# Altium PCB 10515.0462_全联供主板(2拼版)_V1.0.PcbDoc (part 11 of 18)
Units mm, origin at the board's own origin, x right, y up, seen from the top; angles counter-clockwise.
Board outline 282 x 198 mm, 2 copper layers (Top Layer, Bottom Layer); 716 components, 0 nets, 2364 pads, 1800 vias.
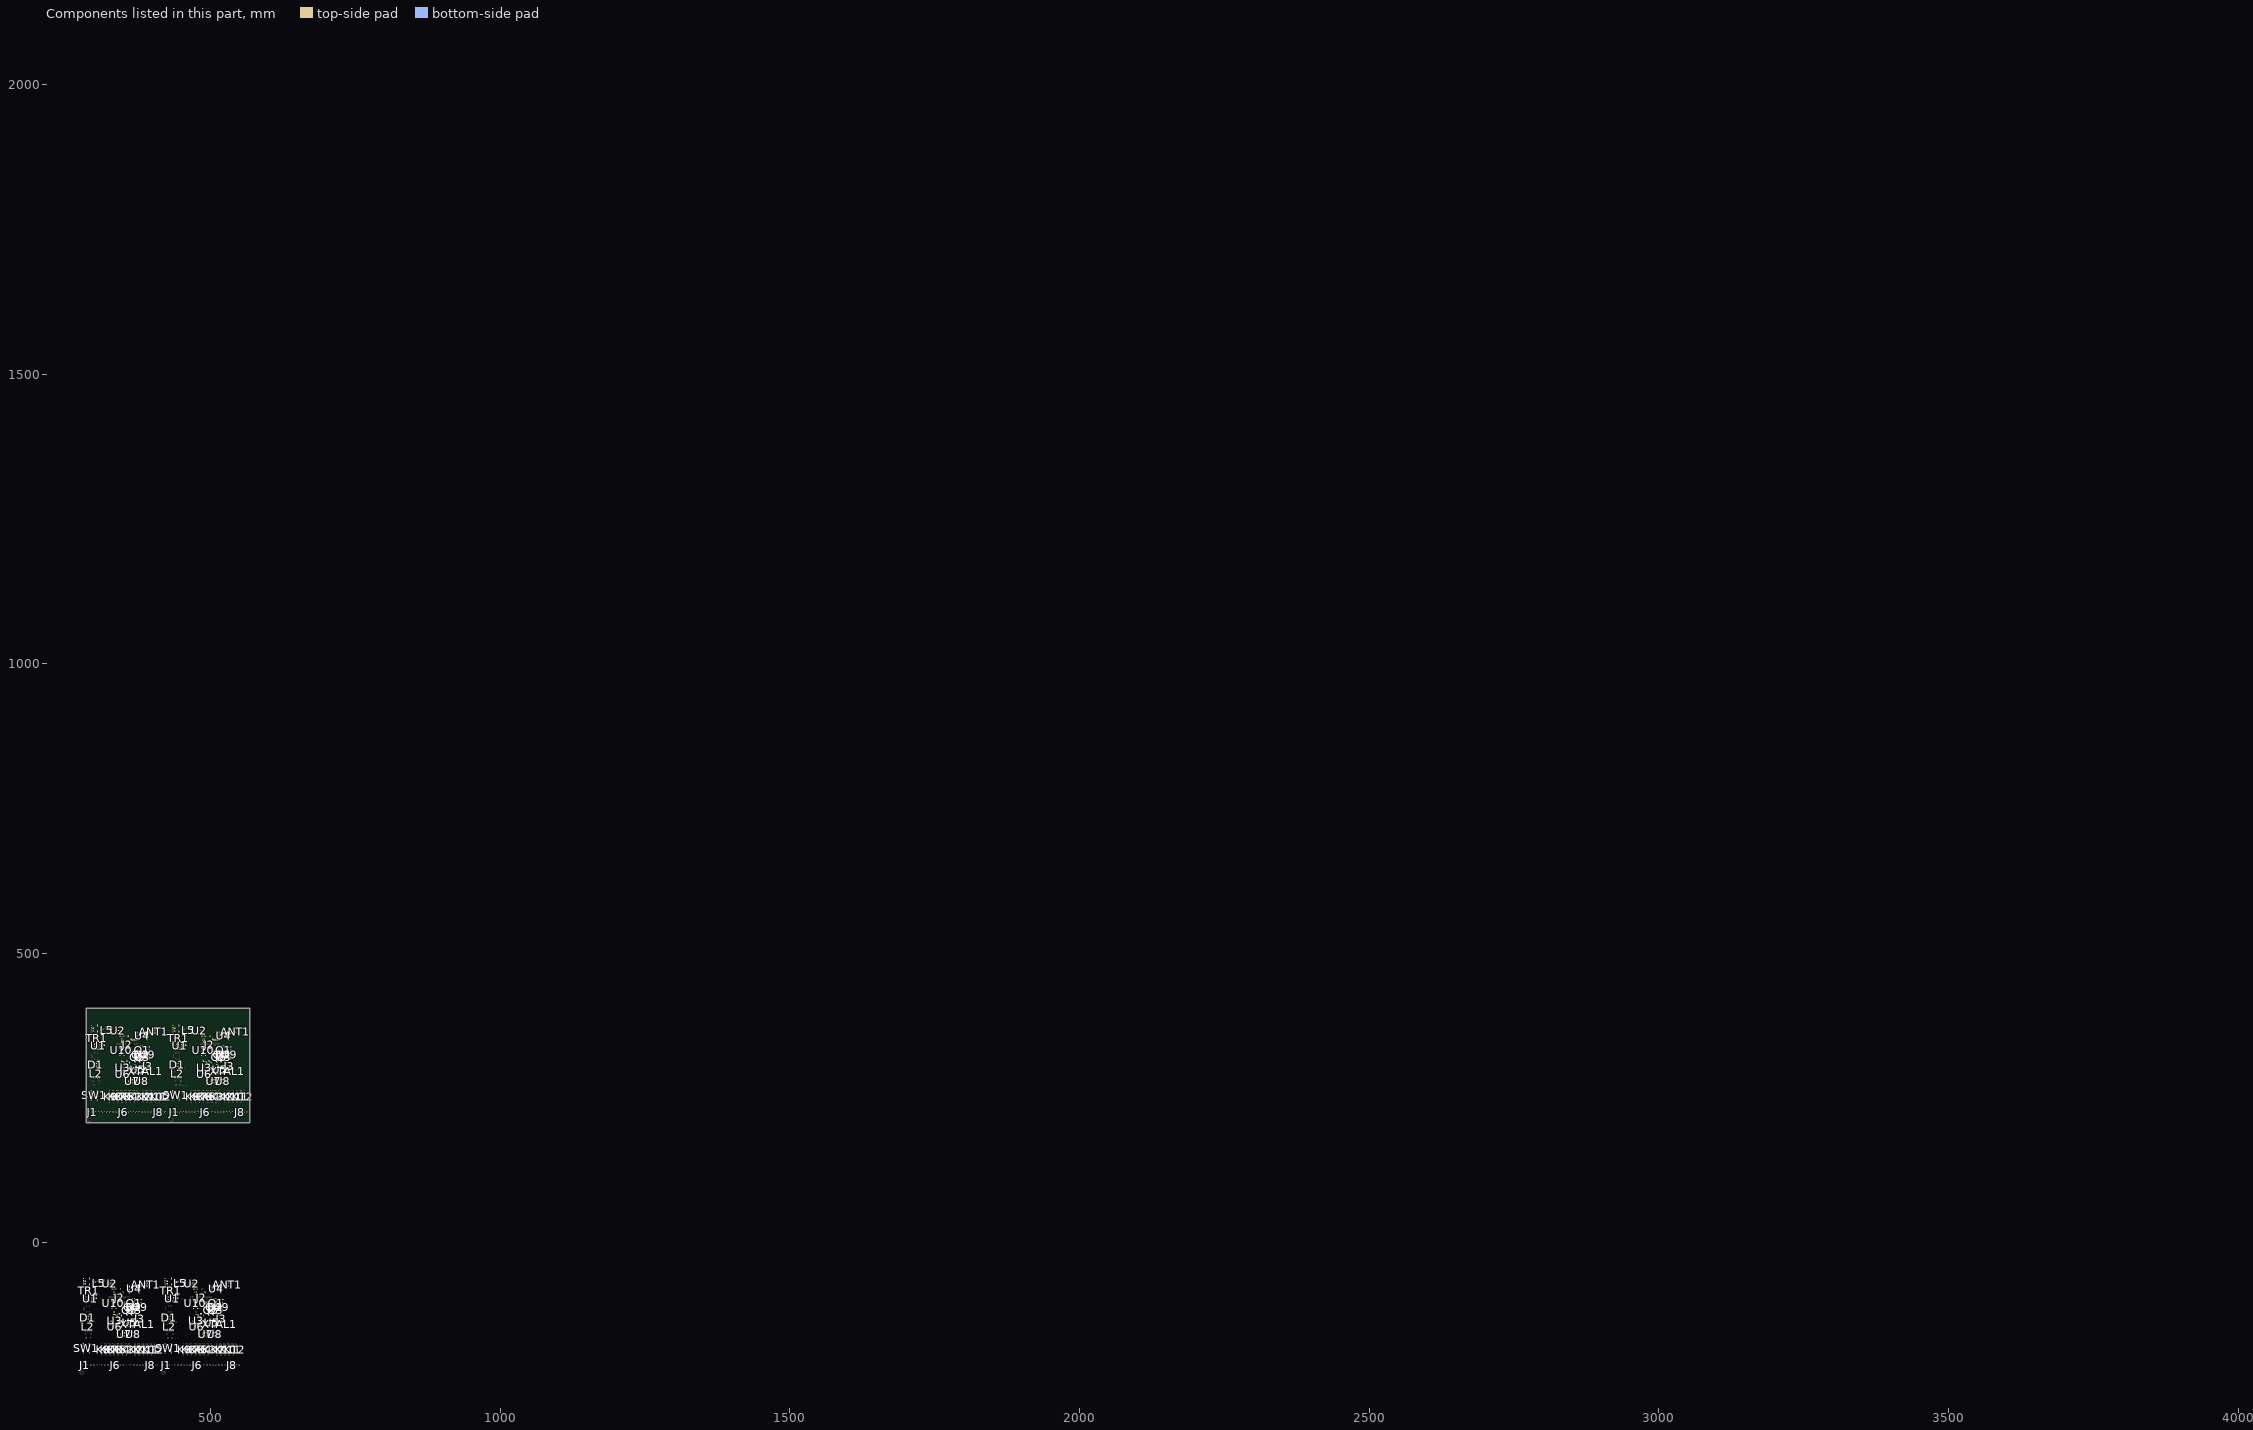
[diagram p11: the components of this part, seen from the top]

## Via types
v1: diameter 0.7, hole 0.4, Top Layer to Bottom Layer, tented both sides, 1800 vias

## Nets (pads, with @x,y where several pads share a name; then routed paths per layer and width w, separated by ;. In a path a pad name is that pad's centre, name@x,y a point inside that pad or via, vN(x,y) a via of type N, cw(c..) or ccw(c..) an arc to the next point about the centre after c; other vN are vias at no path point) (continued)
copper on no net: (continued)
  Top Layer w0.65: 500.638,-117.091 cw(c499.89,-117.091) 500.419,-117.621 cw(c500.948,-118.15) 500.948,-117.401 ; 500.684,353.257 v1@499.668,354.273 ; 501.094,331.277 501.094,334.654 ; 501.758,-118.909 503.917,-118.909 503.917,-119.63 504.327,-120.041 v1(504.581,-120.041) ; 501.758,-109.765 501.758,-112.781 501.948,-112.972 501.948,-114.591 ; 501.76,-112.861 cw(c501.307,-113.315) 501.948,-113.315 ; 501.774,-114.354 ccw(c501.353,-113.933) 501.948,-113.933 ccw(c502.543,-113.933) 502.122,-114.354 ; 502.031,350.209 ccw(c502.031,351.385) 502.862,350.554 ; v1(502.081,308.486) 502.081,311.855 501.674,312.262 500.607,312.262 ; 502.081,311.093 500.912,312.262 500.607,312.262 ; 502.22,352.432 cw(c502.22,351.523) 502.862,352.166 ; 502.373,353.346 cw(c501.251,352.223) 502.838,352.223 ; 502.462,350.534 502.92,350.534 ; 502.745,334.654 v1(503.589,334.654) ; 502.84,350.514 cw(c502.462,350.597) 502.462,350.209 500.43,350.209 ; 503.279,-107.306 ccw(c502.553,-106.58) 503.579,-106.58 ccw(c504.605,-106.58) 503.88,-107.306 ccw(c504.605,-106.58) 504.605,-107.606 ccw(c504.605,-108.632) 503.88,-107.907 ; 503.679,-112.797 cw(c503.258,-113.218) 503.853,-113.218 cw(c504.448,-113.218) 504.027,-112.797 ; 503.73,-105.271 cw(c505.343,-106.884) 505.343,-104.603 ; 503.853,-114.528 503.853,-112.559 ; 504.105,-119.819 ccw(c504.581,-119.342) v1@504.581,-120.016 ; 504.29,352.14 504.772,352.622 508.609,352.622 509.016,352.216 ; 504.347,352.12 cw(c505.56,350.908) 505.56,352.622 ; 504.581,-128.806 v1(504.581,-127.28) ; 504.61,331.32 504.61,334.654 ; 504.634,-109.84 ccw(c504.105,-109.311) 504.853,-109.311 ccw(c505.601,-109.311) 505.072,-109.84 ; 504.853,-110.059 504.853,-107.749 ; 505.343,-103.658 503.579,-105.422 503.579,-107.606 506.246,-107.606 ; 505.568,-116.75 505.568,-118.909 507.854,-118.909 ; 505.708,350.534 501.319,350.534 ; 505.789,350.616 503.002,350.616 502.92,350.534 ; 505.946,-107.907 ccw(c505.22,-108.632) 505.22,-107.606 ccw(c505.22,-106.58) 505.946,-107.306 ; v1(506.291,-128.11) 507.107,-127.294 v1(507.107,-126.264) ; v1(507.121,-101.118) 508.201,-101.118 ; 507.87,-112.797 cw(c507.449,-113.218) 508.044,-113.218 cw(c508.639,-113.218) 508.218,-112.797 ; 507.93,352.622 cw(c507.93,351.169) 508.958,352.197 ; 508.044,-112.559 508.044,-113.631 509.044,-114.631 511.623,-114.631 511.727,-114.528 ; 508.079,331.277 508.079,334.654 ; 508.137,-102.039 ccw(c509.012,-102.039) 508.393,-102.658 ; 508.137,-101.118 508.137,-102.814 508.219,-102.896 ; 508.734,-114.631 ccw(c507.986,-114.631) 508.515,-114.102 ccw(c509.044,-113.573) 509.044,-114.321 ; 508.95,-105.615 cw(c507.198,-107.367) 509.675,-107.367 ; 509.073,352.197 cw(c509.723,351.548) 509.723,352.465 ; 509.169,-105.396 509.675,-105.902 509.675,-107.606 ; 509.263,-114.851 cw(c509.792,-115.38) 509.792,-114.631 cw(c509.792,-113.883) 509.263,-114.412 ; 509.265,352.465 512.495,352.465 ; 509.375,-107.306 ccw(c508.649,-106.58) 509.675,-106.58 ccw(c510.701,-106.58) 509.976,-107.306 ; 509.41,-105.156 cw(c508.768,-105.797) 509.675,-105.797 ; 509.706,352.465 cw(c509.706,351.548) 510.355,352.197 ; 509.832,-101.176 cw(c509.019,-101.989) 510.169,-101.989 ; 509.852,-101.118 510.169,-101.435 510.169,-102.896 ; 509.994,-117.131 509.994,-117.453 v1(510.804,-118.263) ; 509.995,-102.658 ccw(c509.574,-102.237) 510.169,-102.237 ccw(c510.764,-102.237) 510.343,-102.658 ; 510.179,320.434 510.179,323.852 510.179,325.376 ; 510.241,-117.195 ccw(c511.458,-117.195) v1@510.597,-118.056 ; v1@510.28,-127.28 v1(510.28,-127.153) 510.28,-126.179 510.779,-125.68 ; v1@510.28,-127.199 cw(c512.004,-127.199) 510.858,-125.911 ; 510.47,352.197 cw(c511.12,351.548) 511.12,352.465 ; 511.103,352.465 cw(c511.103,351.548) 511.752,352.197 ; 511.783,322.109 513.522,322.109 ; 511.83,322.156 511.83,323.852 ; 511.83,325.376 511.83,326.83 ; 511.867,352.197 cw(c512.517,351.548) 512.517,352.465 ; 512.932,322.109 cw(c512.932,321.373) 513.452,321.893 ; 513.373,332.158 cw(c512.41,331.195) 513.772,331.195 cw(c515.134,331.195) 514.171,332.158 ; 513.452,322.242 ccw(c512.711,322.984) 513.76,322.984 ; 513.479,328.689 cw(c512.859,328.069) 513.735,328.069 ; 513.735,317.501 cw(c515.744,317.501) 514.733,319.236 ; 513.735,317.686 513.735,318.663 514.577,319.504 ; 513.735,318.314 cw(c514.616,318.314) 514.587,319.194 ; 513.735,318.632 cw(c515.085,318.632) 514.406,319.798 ; 513.735,318.986 cw(c514.594,318.986) 514.566,319.844 ; 513.735,326.83 513.735,328.945 ; 513.735,327.857 cw(c514.911,327.857) 514.08,328.689 ; 513.76,322.137 v1(513.76,324.555) 513.76,325.393 ; v1(513.772,331.039) 513.772,332.937 ; 514.267,319.504 cw(c513.518,319.504) 514.048,318.975 cw(c514.577,318.446) 514.577,319.194 ; v1(514.614,-112.057) 515.453,-112.057 520.78,-112.057 521.616,-112.057 522.361,-112.802 522.361,-119.533 v1(522.615,-119.787) ; 515.386,317.686 517.545,317.686 517.545,316.965 517.956,316.554 v1(518.21,316.554) ; 515.386,326.83 515.386,323.814 515.577,323.624 515.577,322.004 ; 515.389,323.735 cw(c514.935,323.281) 515.577,323.281 ; 515.402,322.242 ccw(c514.982,322.663) 515.577,322.663 ccw(c516.172,322.663) 515.751,322.242 ; v1(516.457,-119.787) 516.457,-118.864 ; 516.908,329.29 ccw(c516.182,330.015) 517.208,330.015 ccw(c518.234,330.015) 517.509,329.29 ccw(c518.234,330.015) 518.234,328.989 ccw(c518.234,327.963) 517.509,328.689 ; 517.307,323.798 cw(c516.887,323.377) 517.482,323.377 cw(c518.077,323.377) 517.656,323.798 ; 517.359,331.324 cw(c518.972,329.711) 518.972,331.992 ; 517.482,322.068 517.482,324.036 ; 517.734,316.777 ccw(c518.21,317.253) v1@518.21,316.579 ; 518.003,-73.91 515.279,-73.91 514.36,-74.829 514.36,-83.465 513.695,-84.13 500.303,-84.13 498.866,-84.13 ; v1@518.006,-119.75 518.006,-118.864 ; 518.21,307.789 v1(518.21,309.315) ; 518.263,326.755 ccw(c517.733,327.284) 518.482,327.284 ccw(c519.23,327.284) 518.701,326.755 ; 518.482,326.536 518.482,328.846 ; 518.972,332.937 517.208,331.174 517.208,328.989 519.875,328.989 ; 519.196,319.845 519.196,317.686 521.482,317.686 ; 519.51,-108.253 519.51,-105.753 ; 519.51,-106.121 cw(c520.212,-106.121) 519.715,-105.624 ; 519.575,328.689 ccw(c518.849,327.963) 518.849,328.989 ccw(c518.849,330.015) 519.575,329.29 ; v1(519.92,308.486) 520.736,309.301 v1(520.736,310.331) ; v1(520.75,335.477) 521.829,335.477 ; 521.498,323.798 cw(c521.078,323.377) 521.673,323.377 cw(c522.268,323.377) 521.847,323.798 ; 521.673,324.036 521.673,322.964 522.673,321.964 525.252,321.964 525.356,322.068 ; 521.766,334.556 ccw(c522.641,334.556) 522.022,333.937 ; 521.766,335.477 521.766,333.781 521.848,333.699 ; 522.361,-119.113 ccw(c523.289,-119.113) v1@522.633,-119.769 ; 522.363,321.964 ccw(c521.614,321.964) 522.144,322.493 ccw(c522.673,323.022) 522.673,322.274 ; 522.579,330.98 cw(c520.827,329.229) 523.304,329.229 ; 522.798,331.2 523.304,330.693 523.304,328.989 ; 522.892,321.745 cw(c523.421,321.216) 523.421,321.964 cw(c523.421,322.712) 522.892,322.183 ; 523.004,329.29 ccw(c522.278,330.015) 523.304,330.015 ccw(c524.33,330.015) 523.605,329.29 ; 523.038,331.44 cw(c522.396,330.798) 523.304,330.798 ; 523.461,335.42 cw(c522.647,334.606) 523.798,334.606 ; 523.48,335.477 523.798,335.16 523.798,333.699 ; 523.623,319.464 523.623,319.143 v1(524.433,318.332) ; 523.624,333.937 ccw(c523.203,334.358) 523.798,334.358 ccw(c524.393,334.358) 523.972,333.937 ; v1@523.631,-74.482 526.033,-74.482 ; 523.869,319.401 ccw(c525.087,319.401) v1@524.226,318.539 ; v1@523.909,309.315 v1(523.909,309.442) 523.909,310.417 524.407,310.916 ; v1@523.909,309.396 cw(c525.633,309.396) 524.487,310.684 ; v1(528.243,324.539) 529.082,324.539 534.408,324.539 535.245,324.539 535.99,323.793 535.99,317.062 v1(536.244,316.808) ; v1(530.086,316.808) 530.086,317.731 ; 531.632,362.685 528.908,362.685 527.989,361.766 527.989,353.13 527.324,352.465 513.932,352.465 512.495,352.465 ; v1@531.634,316.846 531.634,317.731 ; 533.138,328.342 533.138,330.843 ; 533.138,330.475 cw(c533.841,330.475) 533.344,330.971 ; 535.99,317.482 ccw(c536.917,317.482) v1@536.262,316.826 ; v1@537.26,362.114 539.661,362.114 ; 292.017,-64.923 292.017,-64.288 ; 292.017,-64.923 292.017,-65.367 293.217,-66.568 295.509,-66.568 ; 292.144,-69.431 292.969,-69.431 ; 292.144,-69.431 292.461,-69.114 ; 292.366,-70.035 295.604,-70.035 296.208,-69.431 ; 292.366,-70.035 292.969,-69.431 ; 292.461,-69.114 295.89,-69.114 296.208,-69.431 ; 292.969,-69.431 296.208,-69.431 ; 297.083,-66.549 297.186,-66.549 297.668,-66.066 ; 297.083,-66.549 299.827,-66.549 ; 299.827,-66.549 303.487,-66.549 304.096,-65.939 301.478,-65.939 ; 299.827,-66.549 300.081,-66.295 300.081,-65.685 ; 300.081,-65.685 v1(300.589,-65.177) ; 300.589,-66.51 300.907,-66.51 301.478,-65.939 ; 300.589,-66.51 v1(300.589,-65.177) ; 300.589,-66.51 300.97,-66.129 300.97,-65.177 v1(300.589,-65.177) ; v1(300.589,-65.177) v1(301.224,-65.177) 301.478,-65.431 301.478,-65.939 ; 305.645,371.672 305.645,372.307 ; 305.645,371.672 305.645,371.228 306.846,370.027 309.138,370.027 ; 305.772,367.164 306.598,367.164 ; 305.772,367.164 306.09,367.481 ; 305.995,366.561 309.233,366.561 309.836,367.164 ; 305.995,366.561 306.598,367.164 ; 306.09,367.481 309.519,367.481 309.836,367.164 ; 306.598,367.164 309.836,367.164 ; 308.504,-71.613 308.504,-73.022 308.971,-73.489 ; 308.504,-71.613 309.86,-70.257 314.178,-70.257 314.813,-70.892 314.813,-74.381 315.655,-75.223 ; 308.971,-73.489 309.041,-73.489 310.178,-72.352 ; 308.971,-65.939 308.971,-67.717 310.114,-68.86 313.924,-68.86 ; 310.712,370.047 310.814,370.047 311.297,370.529 ; 310.712,370.047 313.456,370.047 ; 312.4,-67.844 312.654,-67.844 315.575,-64.923 315.655,-64.923 ; 313.456,370.047 317.115,370.047 317.725,370.656 315.107,370.656 ; 313.456,370.047 313.71,370.301 313.71,370.91 v1(314.218,371.418) ; 313.924,-68.86 314.559,-68.86 314.813,-68.606 314.813,-66.574 ; 314.218,370.085 314.535,370.085 315.107,370.656 ; 314.218,370.085 v1(314.218,371.418) ; 314.218,370.085 314.599,370.466 314.599,371.418 v1(314.218,371.418) ; v1(314.218,371.418) v1(314.853,371.418) 315.107,371.164 315.107,370.656 ; 314.813,-66.574 314.813,-65.765 315.655,-64.923 ; 315.655,-75.223 316.578,-75.223 ; 315.655,-75.223 315.816,-75.223 317.099,-73.94 ; 315.655,-75.223 315.655,-74.241 316.21,-73.686 316.21,-72.162 316.845,-71.527 320.02,-71.527 ; 315.655,-75.223 315.655,-72.543 ; 315.655,-72.543 315.655,-71.955 316.668,-70.942 321.834,-70.942 ; 315.655,-66.248 ccw(c315.655,-67.187) 314.991,-66.523 cw(c315.655,-67.187) 315.655,-66.248 ; 315.655,-64.923 315.655,-68.559 316.374,-69.278 v1(319.893,-69.278) ; 315.655,-64.923 315.655,-66.019 316.083,-66.447 ; 316.083,-66.447 316.083,-68.225 316.591,-68.733 320.872,-68.733 ; 316.578,-75.223 317.099,-74.702 317.099,-73.94 ; 320.02,-71.527 320.655,-72.162 ; 320.02,-71.527 321.036,-71.527 ; 320.655,-72.162 322.243,-73.749 ; 321.036,-71.527 321.249,-71.527 ; 321.249,-71.527 321.834,-70.942 ; 322.133,364.983 322.133,363.573 322.6,363.106 ; 322.133,364.983 323.489,366.338 327.807,366.338 328.442,365.703 328.442,362.214 329.284,361.372 ; 322.243,-73.749 322.243,-130.157 322.667,-130.582 333.021,-130.582 ; 322.6,363.106 322.67,363.106 323.806,364.243 ; 322.6,370.656 322.6,368.878 323.743,367.735 327.553,367.735 ; 324.581,-95.795 324.581,-93.255 324.973,-93.648 324.973,-94.387 ; 324.581,-95.795 327.121,-95.795 327.121,-93.255 ; 324.581,-95.795 325.1,-95.276 326.116,-95.276 ; 324.973,-94.895 cw(c324.507,-94.895) 324.545,-95.36 ccw(c324.507,-94.895) 324.973,-94.895 ; 324.973,-94.895 324.973,-94.387 ; 326.029,368.751 326.283,368.751 329.204,371.672 329.284,371.672 ; 327.553,367.735 328.188,367.735 328.442,367.989 328.442,370.021 ; 328.442,370.021 328.442,370.83 329.284,371.672 ; 329.284,361.372 330.207,361.372 ; 329.284,361.372 329.445,361.372 330.728,362.655 ; 329.284,361.372 329.284,362.354 329.839,362.909 329.839,364.433 330.474,365.068 333.649,365.068 ; 329.284,361.372 329.284,364.052 ; 329.284,364.052 329.284,364.64 330.297,365.653 335.463,365.653 ; 329.284,370.347 ccw(c329.284,369.408) 328.62,370.072 cw(c329.284,369.408) 329.284,370.347 ; 329.284,371.672 329.284,368.036 330.003,367.318 v1(333.522,367.318) ; 329.284,371.672 329.284,370.576 329.712,370.148 ; 329.474,-112.802 331.323,-112.802 332.226,-111.899 ; 329.474,-112.802 329.474,-112.985 330.307,-113.818 331.323,-113.818 ; 329.474,-112.802 329.672,-112.802 330.18,-112.294 331.069,-112.294 ; 329.712,370.148 329.712,368.37 330.22,367.862 334.501,367.862 ; 330.207,361.372 330.728,361.893 330.728,362.655 ; 331.069,-112.294 331.704,-111.659 331.704,-108.865 ; 331.323,-113.818 332.238,-114.732 332.238,-123.393 ; 331.704,-108.865 331.704,-93.752 ; 332.238,-125.4 332.238,-123.393 ; 332.238,-125.4 332.822,-125.985 337.977,-125.985 ; 332.238,-125.4 332.238,-126.035 332.847,-126.645 ; 332.238,-123.393 332.238,-123.749 332.593,-124.105 332.593,-125.248 ; 332.847,-126.645 337.317,-126.645 ; 332.847,-126.645 337.317,-126.645 ; 333.649,365.068 334.284,364.433 ; 333.649,365.068 334.665,365.068 ; 333.889,-123.393 333.889,-114.301 335.387,-112.802 ; 333.889,-123.393 333.889,-124.003 334.219,-124.334 337.977,-124.334 ; 333.889,-88.849 333.889,-91.745 334.244,-92.101 ; 333.889,-88.849 334.361,-88.376 334.361,-86.777 333.889,-87.25 333.889,-88.849 ; 334.244,-95.022 334.244,-92.101 ; 334.244,-92.101 334.741,-92.598 334.741,-93.255 ; 334.284,364.433 335.871,362.846 ; 334.478,-93.604 cw(c334.078,-94.133) 334.741,-94.133 ; 334.478,-93.604 cw(c334.078,-94.133) 334.741,-94.133 ; 334.478,-93.604 cw(c334.078,-94.133) 334.741,-94.133 ; 334.665,365.068 334.878,365.068 ; 334.741,-95.795 337.281,-95.795 ; 334.741,-95.795 334.741,-94.641 ; 334.741,-94.641 334.741,-94.133 ; 334.741,-94.133 cw(c335.404,-94.133) 335.004,-93.604 ; 334.741,-94.133 cw(c335.404,-94.133) 335.004,-93.604 ; 334.741,-94.133 cw(c335.404,-94.133) 335.004,-93.604 ; 334.741,-94.133 334.741,-93.255 ; 334.741,-93.255 337.281,-93.255 ; 334.878,365.068 335.463,365.653 ; 335.006,-104.293 335.006,-108.23 335.006,-111.334 336.474,-112.802 ; 335.05,-96.104 cw(c335.796,-96.85) 335.796,-95.795 cw(c335.796,-94.74) 335.05,-95.486 ; 335.387,-112.802 336.474,-112.802 ; 335.871,362.846 335.871,306.438 336.296,306.013 346.65,306.013 ; 336.403,-92.736 336.403,-88.545 336.784,-88.164 ; 336.784,-88.164 341.61,-83.338 341.61,-81.306 343.205,-79.711 344.023,-79.711 ; 336.911,-96.292 337.281,-95.922 337.281,-95.795 ; 337.281,-95.795 337.281,-93.255 ; 337.317,-126.645 337.977,-125.985 ; 337.977,-125.985 340.823,-125.985 342.174,-127.336 342.174,-127.605 ; 337.977,-125.985 338.41,-125.985 338.88,-126.454 ; 337.977,-124.334 341.255,-124.334 342.174,-123.414 ; 337.977,-124.334 338.207,-124.334 338.562,-123.978 ; 338.21,340.8 338.21,343.34 338.602,342.948 338.602,342.208 ; 338.21,340.8 340.75,340.8 340.75,343.34 ; 338.21,340.8 338.729,341.319 339.745,341.319 ; 338.562,-123.978 339.578,-123.978 ; 338.602,341.7 338.602,342.208 ; 338.88,-126.454 339.07,-126.645 ; 339.07,-126.645 340.34,-127.915 ; 339.07,-126.645 339.832,-126.645 ; 339.578,-123.978 339.959,-123.978 ; 339.959,-123.978 340.464,-123.978 ; 339.959,-123.978 340.464,-123.978 ; 340.464,-123.978 342.174,-122.268 ; 340.75,342.716 340.75,343.34 ; v1(341.494,-87.518) 341.864,-87.148 ; v1(341.494,-87.518) 341.494,-87.54 341.928,-87.973 ; v1(341.494,-87.518) 342.753,-86.259 ; 341.864,-87.148 v1@342.301,-86.711 ; 341.928,-87.973 v1(342.245,-88.291) ; 341.928,-87.973 343.96,-87.973 344.023,-87.91 ; 342.174,-127.605 343.795,-125.985 345.978,-125.985 ; 342.174,-123.414 342.174,-122.268 ; 342.174,-122.268 344.24,-124.334 345.978,-124.334 ; v1(342.245,-88.291) 343.642,-88.291 ; v1(342.245,-88.291) v1(340.721,-88.291) v1@342.301,-86.711 ; v1@342.301,-86.711 ccw(c342.722,-87.132) 342.264,-87.513 cw(c342.722,-87.132) v1@342.301,-86.711 ; v1@342.301,-86.711 344.023,-86.711 344.023,-87.91 ; 342.654,-83.183 342.654,-81.08 ; 342.654,-81.08 344.023,-79.711 ; 343.103,323.793 344.952,323.793 345.855,324.696 ; 343.103,323.793 343.103,323.61 343.936,322.777 344.952,322.777 ; 343.103,323.793 343.301,323.793 343.809,324.301 344.698,324.301 ; 343.642,-88.291 344.023,-87.91 ; 343.642,-88.291 343.896,-88.291 345.42,-86.767 ; 344.023,-79.711 344.023,-83.719 344.714,-84.41 357.15,-84.41 357.431,-84.13 357.866,-84.13 ; 344.023,-79.711 345.039,-80.727 ; 344.698,324.301 345.333,324.936 345.333,327.73 ; 344.952,322.777 345.866,321.863 345.866,313.202 ; v1@345.039,-82.322 345.039,-80.727 ; 345.333,327.73 345.333,342.843 ; 345.42,-86.767 347.585,-86.767 348.291,-86.061 ; 345.42,-86.767 345.801,-86.386 ; 345.547,-86.061 346.69,-86.061 ; 345.801,-86.386 346.126,-86.061 346.69,-86.061 ; 345.866,311.195 345.866,313.202 ; 345.866,311.195 346.45,310.611 351.606,310.611 ; 345.866,311.195 345.866,310.56 346.476,309.95 ; 345.866,313.202 345.866,312.846 346.222,312.49 346.222,311.347 ; 346.476,309.95 350.945,309.95 ; 346.476,309.95 350.945,309.95 ; 347.517,313.202 347.517,322.295 349.016,323.793 ; 347.517,313.202 347.517,312.592 347.847,312.262 351.606,312.262 ; 347.517,347.746 347.517,344.85 347.873,344.494 ; 347.517,347.746 347.99,348.219 347.99,349.818 347.517,349.346 347.517,347.746 ; 347.873,341.573 347.873,344.494 ; 347.873,344.494 348.37,343.998 348.37,343.34 ; 348.106,342.991 cw(c347.707,342.463) 348.37,342.463 ; 348.106,342.991 cw(c347.707,342.463) 348.37,342.463 ; 348.106,342.991 cw(c347.707,342.463) 348.37,342.463 ; 348.37,340.8 350.91,340.8 ; 348.37,340.8 348.37,341.954 ; 348.37,341.954 348.37,342.462 ; 348.37,342.463 cw(c349.032,342.463) 348.633,342.991 ; 348.37,342.463 cw(c349.032,342.463) 348.633,342.991 ; 348.37,342.463 cw(c349.032,342.463) 348.633,342.991 ; 348.37,342.462 348.37,343.34 ; 348.37,343.34 350.91,343.34 ; 348.635,332.302 348.635,328.365 348.635,325.261 350.103,323.793 ; 348.679,340.491 cw(c349.425,339.745) 349.425,340.8 cw(c349.425,341.855) 348.679,341.109 ; 349.016,323.793 350.103,323.793 ; 350.032,343.859 350.032,348.05 350.413,348.431 ; 350.413,348.431 355.239,353.257 355.239,355.289 356.834,356.884 357.652,356.884 ; 350.54,340.303 350.91,340.673 350.91,340.8 ; 350.91,340.8 350.91,343.34 ; 350.945,309.95 351.606,310.611 ; 351.606,310.611 354.451,310.611 355.803,309.26 355.803,308.99 ; 351.606,310.611 352.038,310.611 352.508,310.141 ; 351.606,312.262 354.883,312.262 355.803,313.181 ; 351.606,312.262 351.835,312.262 352.191,312.617 ; 352.191,312.617 353.207,312.617 ; 352.508,310.141 352.699,309.95 ; 352.699,309.95 353.969,308.68 ; 352.699,309.95 353.461,309.95 ; 353.207,312.617 353.588,312.617 ; 353.588,312.617 354.092,312.617 ; 353.588,312.617 354.092,312.617 ; 354.092,312.617 355.803,314.328 ; v1(355.122,349.077) 355.493,349.447 ; v1(355.122,349.077) 355.122,349.056 355.556,348.622 ; v1(355.122,349.077) 356.382,350.336 ; 355.493,349.447 v1@355.93,349.884 ; 355.556,348.622 v1(355.874,348.304) ; 355.556,348.622 357.588,348.622 357.652,348.685 ; 355.803,308.99 357.423,310.611 359.607,310.611 ; 355.803,313.181 355.803,314.328 ; 355.803,314.328 357.869,312.262 359.607,312.262 ; v1(355.874,348.304) 357.271,348.304 ; v1(355.874,348.304) v1(354.35,348.304) v1@355.93,349.884 ; v1@355.93,349.884 ccw(c356.351,349.463) 355.893,349.082 cw(c356.351,349.463) v1@355.93,349.884 ; v1@355.93,349.884 357.652,349.884 357.652,348.685 ; 356.283,353.412 356.283,355.515 ; 356.283,355.515 357.652,356.884 ; 357.24,-84.398 cw(c357.866,-84.996) 357.866,-84.13 ; 357.24,-84.398 cw(c357.866,-84.996) 357.866,-84.13 ; 357.24,-84.398 cw(c357.866,-84.996) 357.866,-84.13 ; 357.271,348.304 357.652,348.685 ; 357.271,348.304 357.525,348.304 359.049,349.828 ; 357.652,356.884 357.652,352.876 358.343,352.185 370.779,352.185 371.059,352.465 371.495,352.465 ; 357.652,356.884 358.668,355.868 ; v1@358.668,354.273 358.668,355.868 ; 359.049,349.828 361.214,349.828 361.92,350.534 ; 359.049,349.828 359.43,350.209 ; 359.176,350.534 360.319,350.534 ; 359.43,350.209 359.755,350.534 360.319,350.534 ; 370.869,352.198 cw(c371.495,351.599) 371.495,352.465 ; 370.869,352.198 cw(c371.495,351.599) 371.495,352.465 ; 370.869,352.198 cw(c371.495,351.599) 371.495,352.465 ; 433.017,-64.923 433.017,-64.288 ; 433.017,-64.923 433.017,-65.367 434.217,-66.568 436.509,-66.568 ; 433.144,-69.431 433.969,-69.431 ; 433.144,-69.431 433.461,-69.114 ; 433.366,-70.035 436.604,-70.035 437.208,-69.431 ; 433.366,-70.035 433.969,-69.431 ; 433.461,-69.114 436.89,-69.114 437.208,-69.431 ; 433.969,-69.431 437.208,-69.431 ; 438.083,-66.549 438.186,-66.549 438.668,-66.066 ; 438.083,-66.549 440.827,-66.549 ; 440.827,-66.549 444.487,-66.549 445.096,-65.939 442.478,-65.939 ; 440.827,-66.549 441.081,-66.295 441.081,-65.685 ; 441.081,-65.685 v1(441.589,-65.177) ; 441.589,-66.51 441.907,-66.51 442.478,-65.939 ; 441.589,-66.51 v1(441.589,-65.177) ; 441.589,-66.51 441.97,-66.129 441.97,-65.177 v1(441.589,-65.177) ; v1(441.589,-65.177) v1(442.224,-65.177) 442.478,-65.431 442.478,-65.939 ; 446.645,371.672 446.645,372.307 ; 446.645,371.672 446.645,371.228 447.846,370.027 450.138,370.027 ; 446.772,367.164 447.598,367.164 ; 446.772,367.164 447.09,367.481 ; 446.995,366.561 450.233,366.561 450.836,367.164 ; 446.995,366.561 447.598,367.164 ; 447.09,367.481 450.519,367.481 450.836,367.164 ; 447.598,367.164 450.836,367.164 ; 449.504,-71.613 449.504,-73.022 449.971,-73.489 ; 449.504,-71.613 450.86,-70.257 455.178,-70.257 455.813,-70.892 455.813,-74.381 456.655,-75.223 ; 449.971,-73.489 450.041,-73.489 451.178,-72.352 ; 449.971,-65.939 449.971,-67.717 451.114,-68.86 454.924,-68.86 ; 451.712,370.047 451.814,370.047 452.297,370.529 ; 451.712,370.047 454.456,370.047 ; 453.4,-67.844 453.654,-67.844 456.575,-64.923 456.655,-64.923 ; 454.456,370.047 458.115,370.047 458.725,370.656 456.107,370.656 ; 454.456,370.047 454.71,370.301 454.71,370.91 v1(455.218,371.418) ; 454.924,-68.86 455.559,-68.86 455.813,-68.606 455.813,-66.574 ; 455.218,370.085 455.535,370.085 456.107,370.656 ; 455.218,370.085 v1(455.218,371.418) ; 455.218,370.085 455.599,370.466 455.599,371.418 v1(455.218,371.418) ; v1(455.218,371.418) v1(455.853,371.418) 456.107,371.164 456.107,370.656 ; 455.813,-66.574 455.813,-65.765 456.655,-64.923 ; 456.655,-75.223 457.578,-75.223 ; 456.655,-75.223 456.816,-75.223 458.099,-73.94 ; 456.655,-75.223 456.655,-74.241 457.21,-73.686 457.21,-72.162 457.845,-71.527 461.02,-71.527 ; 456.655,-75.223 456.655,-72.543 ; 456.655,-72.543 456.655,-71.955 457.668,-70.942 462.834,-70.942 ; 456.655,-66.248 ccw(c456.655,-67.187) 455.991,-66.523 cw(c456.655,-67.187) 456.655,-66.248 ; 456.655,-64.923 456.655,-68.559 457.374,-69.278 v1(460.893,-69.278) ; 456.655,-64.923 456.655,-66.019 457.083,-66.447 ; 457.083,-66.447 457.083,-68.225 457.591,-68.733 461.872,-68.733 ; 457.578,-75.223 458.099,-74.702 458.099,-73.94 ; 461.02,-71.527 461.655,-72.162 ; 461.02,-71.527 462.036,-71.527 ; 461.655,-72.162 463.243,-73.749 ; 462.036,-71.527 462.249,-71.527 ; 462.249,-71.527 462.834,-70.942 ; 463.133,364.983 463.133,363.573 463.6,363.106 ; 463.133,364.983 464.489,366.338 468.807,366.338 469.442,365.703 469.442,362.214 470.284,361.372 ; 463.243,-73.749 463.243,-130.157 463.667,-130.582 474.021,-130.582 ; 463.6,363.106 463.67,363.106 464.806,364.243 ; 463.6,370.656 463.6,368.878 464.743,367.735 468.553,367.735 ; 465.581,-95.795 465.581,-93.255 465.973,-93.648 465.973,-94.387 ; 465.581,-95.795 468.121,-95.795 468.121,-93.255 ; 465.581,-95.795 466.1,-95.276 467.116,-95.276 ; 465.973,-94.895 cw(c465.507,-94.895) 465.545,-95.36 ccw(c465.507,-94.895) 465.973,-94.895 ; 465.973,-94.895 465.973,-94.387 ; 467.029,368.751 467.283,368.751 470.204,371.672 470.284,371.672 ; 468.121,-93.879 468.121,-93.255 ; 468.553,367.735 469.188,367.735 469.442,367.989 469.442,370.021 ; 469.442,370.021 469.442,370.83 470.284,371.672 ; 470.284,361.372 471.207,361.372 ; 470.284,361.372 470.445,361.372 471.728,362.655 ; 470.284,361.372 470.284,362.354 470.839,362.909 470.839,364.433 471.474,365.068 474.649,365.068 ; 470.284,361.372 470.284,364.052 ; 470.284,364.052 470.284,364.64 471.297,365.653 476.463,365.653 ; 470.284,370.347 ccw(c470.284,369.408) 469.62,370.072 cw(c470.284,369.408) 470.284,370.347 ; 470.284,371.672 470.284,368.036 471.003,367.318 v1(474.522,367.318) ; 470.284,371.672 470.284,370.576 470.712,370.148 ; 470.474,-112.802 472.323,-112.802 473.226,-111.899 ; 470.474,-112.802 470.474,-112.985 471.307,-113.818 472.323,-113.818 ; 470.474,-112.802 470.672,-112.802 471.18,-112.294 472.069,-112.294 ; 470.712,370.148 470.712,368.37 471.22,367.862 475.501,367.862 ; 471.207,361.372 471.728,361.893 471.728,362.655 ; 472.069,-112.294 472.704,-111.659 472.704,-108.865 ; 472.323,-113.818 473.238,-114.732 473.238,-123.393 ; 472.704,-108.865 472.704,-93.752 ; 473.238,-125.4 473.238,-123.393 ; 473.238,-125.4 473.822,-125.985 478.977,-125.985 ; 473.238,-125.4 473.238,-126.035 473.847,-126.645 ; 473.238,-123.393 473.238,-123.749 473.593,-124.105 473.593,-125.248 ; 473.847,-126.645 478.317,-126.645 ; 473.847,-126.645 478.317,-126.645 ; 474.649,365.068 475.284,364.433 ; 474.649,365.068 475.665,365.068 ; 474.889,-123.393 474.889,-114.301 476.387,-112.802 ; 474.889,-123.393 474.889,-124.003 475.219,-124.334 478.977,-124.334 ; 474.889,-88.849 474.889,-91.745 475.244,-92.101 ; 474.889,-88.849 475.361,-88.376 475.361,-86.777 474.889,-87.25 474.889,-88.849 ; 475.244,-95.022 475.244,-92.101 ; 475.244,-92.101 475.741,-92.598 475.741,-93.255 ; 475.284,364.433 476.871,362.846 ; 475.478,-93.604 cw(c475.078,-94.133) 475.741,-94.133 ; 475.478,-93.604 cw(c475.078,-94.133) 475.741,-94.133 ; 475.478,-93.604 cw(c475.078,-94.133) 475.741,-94.133 ; 475.665,365.068 475.878,365.068 ; 475.741,-95.795 478.281,-95.795 ; 475.741,-95.795 475.741,-94.641 ; 475.741,-94.641 475.741,-94.133 ; 475.741,-94.133 cw(c476.404,-94.133) 476.004,-93.604 ; 475.741,-94.133 cw(c476.404,-94.133) 476.004,-93.604 ; 475.741,-94.133 cw(c476.404,-94.133) 476.004,-93.604 ; 475.741,-94.133 475.741,-93.255 ; 475.741,-93.255 478.281,-93.255 ; 475.878,365.068 476.463,365.653 ; 476.006,-104.293 476.006,-108.23 476.006,-111.334 477.474,-112.802 ; 476.05,-96.104 cw(c476.796,-96.85) 476.796,-95.795 cw(c476.796,-94.74) 476.05,-95.486 ; 476.387,-112.802 477.474,-112.802 ; 476.871,362.846 476.871,306.438 477.296,306.013 487.65,306.013 ; 477.403,-92.736 477.403,-88.545 477.784,-88.164 ; 477.784,-88.164 482.61,-83.338 482.61,-81.306 484.205,-79.711 485.023,-79.711 ; 477.911,-96.292 478.281,-95.922 478.281,-95.795 ; 478.281,-95.795 478.281,-93.255 ; 478.317,-126.645 478.977,-125.985 ; 478.977,-125.985 481.823,-125.985 483.174,-127.336 483.174,-127.605 ; 478.977,-125.985 479.41,-125.985 479.88,-126.454 ; 478.977,-124.334 482.255,-124.334 483.174,-123.414 ; 478.977,-124.334 479.207,-124.334 479.562,-123.978 ; 479.21,340.8 479.21,343.34 479.602,342.948 479.602,342.208 ; 479.21,340.8 481.75,340.8 481.75,343.34 ; 479.21,340.8 479.729,341.319 480.745,341.319 ; 479.562,-123.978 480.578,-123.978 ; 479.602,341.7 479.602,342.208 ; 479.88,-126.454 480.07,-126.645 ; 480.07,-126.645 481.34,-127.915 ; 480.07,-126.645 480.832,-126.645 ; 480.578,-123.978 480.959,-123.978 ; 480.959,-123.978 481.464,-123.978 ; 480.959,-123.978 481.464,-123.978 ; 481.464,-123.978 483.174,-122.268 ; v1(482.494,-87.518) 482.864,-87.148 ; v1(482.494,-87.518) 482.494,-87.54 482.928,-87.973 ; v1(482.494,-87.518) 483.753,-86.259 ; 482.864,-87.148 v1@483.301,-86.711 ; 482.928,-87.973 v1(483.245,-88.291) ; 482.928,-87.973 484.96,-87.973 485.023,-87.91 ; 483.174,-127.605 484.795,-125.985 486.978,-125.985 ; 483.174,-123.414 483.174,-122.268 ; 483.174,-122.268 485.24,-124.334 486.978,-124.334 ; v1(483.245,-88.291) 484.642,-88.291 ; v1(483.245,-88.291) v1(481.721,-88.291) v1@483.301,-86.711 ; v1@483.301,-86.711 ccw(c483.722,-87.132) 483.264,-87.513 cw(c483.722,-87.132) v1@483.301,-86.711 ; v1@483.301,-86.711 485.023,-86.711 485.023,-87.91 ; 483.654,-83.183 483.654,-81.08 ; 483.654,-81.08 485.023,-79.711 ; 484.103,323.793 485.952,323.793 486.855,324.696 ; 484.103,323.793 484.103,323.61 484.936,322.777 485.952,322.777 ; 484.103,323.793 484.301,323.793 484.809,324.301 485.698,324.301 ; 484.642,-88.291 485.023,-87.91 ; 484.642,-88.291 484.896,-88.291 486.42,-86.767 ; 485.023,-79.711 485.023,-83.719 485.714,-84.41 498.15,-84.41 498.431,-84.13 498.866,-84.13 ; 485.023,-79.711 486.039,-80.727 ; 485.698,324.301 486.333,324.936 486.333,327.73 ; 485.952,322.777 486.866,321.863 486.866,313.202 ; v1@486.039,-82.322 486.039,-80.727 ; 486.333,327.73 486.333,342.843 ; 486.42,-86.767 488.585,-86.767 489.291,-86.061 ; 486.42,-86.767 486.801,-86.386 ; 486.547,-86.061 487.69,-86.061 ; 486.801,-86.386 487.126,-86.061 487.69,-86.061 ; 486.866,311.195 486.866,313.202 ; 486.866,311.195 487.45,310.611 492.606,310.611 ; 486.866,311.195 486.866,310.56 487.476,309.95 ; 486.866,313.202 486.866,312.846 487.222,312.49 487.222,311.347 ; 487.476,309.95 491.945,309.95 ; 487.476,309.95 491.945,309.95 ; 488.517,313.202 488.517,322.295 490.016,323.793 ; 488.517,313.202 488.517,312.592 488.847,312.262 492.606,312.262 ; 488.517,347.746 488.517,344.85 488.873,344.494 ; 488.517,347.746 488.99,348.219 488.99,349.818 488.517,349.346 488.517,347.746 ; 488.873,341.573 488.873,344.494 ; 488.873,344.494 489.37,343.998 489.37,343.34 ; 489.106,342.991 cw(c488.707,342.463) 489.37,342.463 ; 489.106,342.991 cw(c488.707,342.463) 489.37,342.463 ; 489.106,342.991 cw(c488.707,342.463) 489.37,342.463 ; 489.37,340.8 491.91,340.8 ; 489.37,340.8 489.37,341.954 ; 489.37,341.954 489.37,342.462 ; 489.37,342.463 cw(c490.032,342.463) 489.633,342.991 ; 489.37,342.463 cw(c490.032,342.463) 489.633,342.991 ; 489.37,342.463 cw(c490.032,342.463) 489.633,342.991 ; 489.37,342.462 489.37,343.34 ; 489.37,343.34 491.91,343.34 ; 489.635,332.302 489.635,328.365 489.635,325.261 491.103,323.793 ; 489.679,340.491 cw(c490.425,339.745) 490.425,340.8 cw(c490.425,341.855) 489.679,341.109 ; 490.016,323.793 491.103,323.793 ; 491.032,343.859 491.032,348.05 491.413,348.431 ; 491.413,348.431 496.239,353.257 496.239,355.289 497.834,356.884 498.652,356.884 ; 491.54,340.303 491.91,340.673 491.91,340.8 ; 491.91,340.8 491.91,343.34 ; 491.945,309.95 492.606,310.611 ; 492.606,310.611 495.451,310.611 496.803,309.26 496.803,308.99 ; 492.606,310.611 493.038,310.611 493.508,310.141 ; 492.606,312.262 495.883,312.262 496.803,313.181 ; 492.606,312.262 492.835,312.262 493.191,312.617 ; 493.191,312.617 494.207,312.617 ; 493.508,310.141 493.699,309.95 ; 493.699,309.95 494.969,308.68 ; 493.699,309.95 494.461,309.95 ; 494.207,312.617 494.588,312.617 ; 494.588,312.617 495.092,312.617 ; 494.588,312.617 495.092,312.617 ; 495.092,312.617 496.803,314.328 ; v1(496.122,349.077) 496.493,349.447 ; v1(496.122,349.077) 496.122,349.056 496.556,348.622 ; v1(496.122,349.077) 497.382,350.336 ; 496.493,349.447 v1@496.93,349.884 ; 496.556,348.622 v1(496.874,348.304) ; 496.556,348.622 498.588,348.622 498.652,348.685 ; 496.803,308.99 498.423,310.611 500.607,310.611 ; 496.803,313.181 496.803,314.328 ; 496.803,314.328 498.869,312.262 500.607,312.262 ; v1(496.874,348.304) 498.271,348.304 ; v1(496.874,348.304) v1(495.35,348.304) v1@496.93,349.884 ; v1@496.93,349.884 ccw(c497.351,349.463) 496.893,349.082 cw(c497.351,349.463) v1@496.93,349.884 ; v1@496.93,349.884 498.652,349.884 498.652,348.685 ; 497.283,353.412 497.283,355.515 ; 497.283,355.515 498.652,356.884 ; 498.24,-84.398 cw(c498.866,-84.996) 498.866,-84.13 ; 498.24,-84.398 cw(c498.866,-84.996) 498.866,-84.13 ; 498.24,-84.398 cw(c498.866,-84.996) 498.866,-84.13 ; 498.271,348.304 498.652,348.685 ; 498.271,348.304 498.525,348.304 500.049,349.828 ; 498.652,356.884 498.652,352.876 499.343,352.185 511.779,352.185 512.059,352.465 512.495,352.465 ; 498.652,356.884 499.668,355.868 ; v1@499.668,354.273 499.668,355.868 ; 500.049,349.828 502.214,349.828 502.92,350.534 ; 500.049,349.828 500.43,350.209 ; 500.176,350.534 501.319,350.534 ; 500.43,350.209 500.755,350.534 501.319,350.534 ; 511.869,352.198 cw(c512.495,351.599) 512.495,352.465 ; 511.869,352.198 cw(c512.495,351.599) 512.495,352.465 ; 511.869,352.198 cw(c512.495,351.599) 512.495,352.465 ; 331.166,-107.924 cw(c330.6,-108.872) 331.704,-108.872 ccw(c330.6,-108.872) 331.166,-107.924 ; 331.704,-108.721 cw(c332.991,-108.721) 332.081,-107.811 ccw(c332.991,-108.721) 331.704,-108.721 ; 338.174,341.236 ccw(c338.135,341.7) 338.602,341.7 cw(c338.135,341.7) 338.174,341.236 ; 344.795,328.671 cw(c344.229,327.723) 345.333,327.723 ccw(c344.229,327.723) 344.795,328.671 ; 345.333,327.874 cw(c346.62,327.874) 345.71,328.785 ccw(c346.62,327.874) 345.333,327.874 ; 472.166,-107.924 cw(c471.6,-108.872) 472.704,-108.872 ccw(c471.6,-108.872) 472.166,-107.924 ; 472.704,-108.721 cw(c473.991,-108.721) 473.081,-107.811 ccw(c473.991,-108.721) 472.704,-108.721 ; 479.174,341.236 ccw(c479.135,341.7) 479.602,341.7 cw(c479.135,341.7) 479.174,341.236 ; 485.795,328.671 cw(c485.229,327.723) 486.333,327.723 ccw(c485.229,327.723) 485.795,328.671 ; 486.333,327.874 cw(c487.62,327.874) 486.71,328.785 ccw(c487.62,327.874) 486.333,327.874
  Top Layer w0.8: 289.605,-72.543 290.481,-71.667 290.89,-71.667 ; 289.794,-75.845 290.89,-74.749 290.89,-72.683 ; 291.191,-69.114 289.605,-70.7 289.605,-71.146 ; 297.083,-68.2 292.106,-68.2 ; 297.121,-68.161 300.589,-68.161 ; 300.594,-68.195 ccw(c301.892,-66.896) 301.892,-68.733 ; 303.234,364.052 304.11,364.928 304.519,364.928 ; 303.423,360.75 304.519,361.846 304.519,363.912 ; 303.51,-72.878 303.51,-69.368 302.875,-68.733 302.621,-68.733 ; 303.51,-72.497 ccw(c305.113,-72.497) 303.98,-73.63 ; 303.51,-70.565 ccw(c307.045,-70.565) 304.545,-73.065 cw(c305.57,-72.04) 304.121,-72.04 cw(c302.673,-72.04) 303.697,-73.065 ; 304.121,-73.489 304.121,-68.836 303.447,-68.161 300.589,-68.161 ; 304.121,-69.241 303.613,-68.733 302.621,-68.733 ; 304.82,367.481 303.234,365.895 303.234,365.449 ; 304.971,-76.48 306.495,-78.004 314.432,-78.004 ; 310.712,368.396 305.734,368.396 ; 310.75,368.434 314.218,368.434 ; 313.924,-78.512 314.432,-78.004 ; 314.222,368.4 ccw(c315.521,369.699) 315.521,367.862 ; 315.337,-66.041 cw(c314.569,-66.809) 315.655,-66.809 cw(c316.742,-66.809) 315.973,-66.041 ; 315.575,-154.517 315.575,-158.014 316.718,-159.157 ; 315.655,-64.923 315.655,-67.035 317.353,-68.733 ; 316.38,-157.803 317.212,-158.635 ; 317.139,363.717 317.139,367.227 316.504,367.862 316.25,367.862 ; 317.139,364.099 ccw(c318.742,364.099) 317.608,362.965 ; 317.139,366.03 ccw(c320.674,366.03) 318.174,363.531 cw(c319.198,364.555) 317.75,364.555 cw(c316.301,364.555) 317.326,363.531 ; 317.75,363.106 317.75,367.759 317.075,368.434 314.218,368.434 ; 317.75,367.354 317.242,367.862 316.25,367.862 ; 318.599,360.115 320.123,358.591 328.061,358.591 ; 319.562,-156.032 320.514,-156.984 322.179,-156.984 ; 320.02,-155.474 321.53,-156.984 322.179,-156.984 ; 320.465,-155.918 320.671,-155.712 337.923,-155.712 ; 320.655,-155.206 322.433,-156.984 322.179,-156.984 ; 320.932,-155.483 319.639,-154.19 319.639,-79.02 318.623,-78.004 314.432,-78.004 ; 321.812,-156.363 343.642,-156.363 344.263,-156.984 ; 327.553,358.083 328.061,358.591 ; 328.966,370.554 cw(c328.197,369.786) 329.284,369.786 cw(c330.37,369.786) 329.602,370.554 ; 329.204,282.079 329.204,278.581 330.347,277.438 ; 329.284,371.672 329.284,369.56 330.982,367.862 ; 330.009,278.793 330.841,277.96 ; 333.191,280.564 334.143,279.611 335.808,279.611 ; 333.649,281.121 335.159,279.611 335.808,279.611 ; 334.093,280.677 334.3,280.884 351.552,280.884 ; 334.284,281.389 336.062,279.611 335.808,279.611 ; 334.56,281.113 333.268,282.405 333.268,357.575 332.252,358.591 328.061,358.591 ; 335.441,280.232 357.271,280.232 357.892,279.611 ; 343.642,-159.03 cw(c344.488,-159.876) 344.488,-158.68 ; 343.812,-158.86 cw(c344.364,-159.413) 344.487,-158.641 ; 343.896,-156.617 342.991,-155.712 337.923,-155.712 ; 344.028,-156.749 ccw(c344.488,-156.289) 344.488,-156.94 ; 344.488,-156.984 344.263,-156.984 ; 352.812,-85.98 352.818,-85.986 354.343,-85.986 354.387,-86.03 359.204,-86.03 359.303,-86.13 ; 357.271,277.566 cw(c358.117,276.72) 358.117,277.916 ; 357.44,277.735 cw(c357.993,277.183) 358.116,277.954 ; 357.525,279.978 356.62,280.884 351.552,280.884 ; 357.657,279.846 ccw(c358.117,280.306) 358.117,279.656 ; 358.117,279.611 357.892,279.611 ; 366.44,350.616 366.447,350.609 367.971,350.609 368.016,350.565 372.832,350.565 372.932,350.465 ; 377.003,-71.91 379.635,-71.91 ; 379.635,-71.942 379.635,-73.224 379.649,-73.237 ; 381.286,-71.942 381.427,-72.082 381.427,-73.364 ; 381.579,-71.942 387.573,-71.942 ; 390.632,364.685 393.264,364.685 ; 393.264,364.654 393.264,363.372 393.277,363.358 ; 394.915,364.654 395.055,364.513 395.055,363.231 ; 395.208,364.654 401.201,364.654 ; 430.605,-72.543 431.481,-71.667 431.89,-71.667 ; 430.794,-75.845 431.89,-74.749 431.89,-72.683 ; 432.191,-69.114 430.605,-70.7 430.605,-71.146 ; 438.083,-68.2 433.106,-68.2 ; 438.121,-68.161 441.589,-68.161 ; 441.594,-68.195 ccw(c442.892,-66.896) 442.892,-68.733 ; 444.234,364.052 445.11,364.928 445.519,364.928 ; 444.423,360.75 445.519,361.846 445.519,363.912 ; 444.51,-72.878 444.51,-69.368 443.875,-68.733 443.621,-68.733 ; 444.51,-72.497 ccw(c446.113,-72.497) 444.98,-73.63 ; 444.51,-70.565 ccw(c448.045,-70.565) 445.545,-73.065 cw(c446.57,-72.04) 445.121,-72.04 cw(c443.673,-72.04) 444.697,-73.065 ; 445.121,-73.489 445.121,-68.836 444.447,-68.161 441.589,-68.161 ; 445.121,-69.241 444.613,-68.733 443.621,-68.733 ; 445.82,367.481 444.234,365.895 444.234,365.449 ; 445.971,-76.48 447.495,-78.004 455.432,-78.004 ; 451.712,368.396 446.734,368.396 ; 451.75,368.434 455.218,368.434 ; 454.924,-78.512 455.432,-78.004 ; 455.222,368.4 ccw(c456.521,369.699) 456.521,367.862 ; 456.337,-66.041 cw(c455.569,-66.809) 456.655,-66.809 cw(c457.742,-66.809) 456.973,-66.041 ; 456.575,-154.517 456.575,-158.014 457.718,-159.157 ; 456.655,-64.923 456.655,-67.035 458.353,-68.733 ; 457.38,-157.803 458.212,-158.635 ; 458.139,363.717 458.139,367.227 457.504,367.862 457.25,367.862 ; 458.139,364.099 ccw(c459.742,364.099) 458.608,362.965 ; 458.139,366.03 ccw(c461.674,366.03) 459.174,363.531 cw(c460.198,364.555) 458.75,364.555 cw(c457.301,364.555) 458.326,363.531 ; 458.75,363.106 458.75,367.759 458.075,368.434 455.218,368.434 ; 458.75,367.354 458.242,367.862 457.25,367.862 ; 459.599,360.115 461.123,358.591 469.061,358.591 ; 460.562,-156.032 461.514,-156.984 463.179,-156.984 ; 461.02,-155.474 462.53,-156.984 463.179,-156.984 ; 461.465,-155.918 461.671,-155.712 478.923,-155.712 ; 461.655,-155.206 463.433,-156.984 463.179,-156.984 ; 461.932,-155.483 460.639,-154.19 460.639,-79.02 459.623,-78.004 455.432,-78.004 ; 462.812,-156.363 484.642,-156.363 485.263,-156.984 ; 468.553,358.083 469.061,358.591 ; 469.966,370.554 cw(c469.197,369.786) 470.284,369.786 cw(c471.37,369.786) 470.602,370.554 ; 470.204,282.079 470.204,278.581 471.347,277.438 ; 470.284,371.672 470.284,369.56 471.982,367.862 ; 471.009,278.793 471.841,277.96 ; 474.191,280.564 475.143,279.611 476.808,279.611 ; 474.649,281.121 476.159,279.611 476.808,279.611 ; 475.093,280.677 475.3,280.884 492.552,280.884 ; 475.284,281.389 477.062,279.611 476.808,279.611 ; 475.56,281.113 474.268,282.405 474.268,357.575 473.252,358.591 469.061,358.591 ; 476.441,280.232 498.271,280.232 498.892,279.611 ; 484.642,-159.03 cw(c485.488,-159.876) 485.488,-158.68 ; 484.812,-158.86 cw(c485.364,-159.413) 485.487,-158.641 ; 484.896,-156.617 483.991,-155.712 478.923,-155.712 ; 485.028,-156.749 ccw(c485.488,-156.289) 485.488,-156.94 ; 485.488,-156.984 485.263,-156.984 ; 493.812,-85.98 493.818,-85.986 495.343,-85.986 495.387,-86.03 500.204,-86.03 500.303,-86.13 ; 498.271,277.566 cw(c499.117,276.72) 499.117,277.916 ; 498.44,277.735 cw(c498.993,277.183) 499.116,277.954 ; 498.525,279.978 497.62,280.884 492.552,280.884 ; 498.657,279.846 ccw(c499.117,280.306) 499.117,279.656 ; 499.117,279.611 498.892,279.611 ; 507.44,350.616 507.447,350.609 508.971,350.609 509.016,350.565 513.832,350.565 513.932,350.465 ; 518.003,-71.91 520.635,-71.91 ; 520.635,-71.942 520.635,-73.224 520.649,-73.237 ; 522.286,-71.942 522.427,-72.082 522.427,-73.364 ; 522.579,-71.942 528.573,-71.942 ; 531.632,364.685 534.264,364.685 ; 534.264,364.654 534.264,363.372 534.277,363.358 ; 535.915,364.654 536.055,364.513 536.055,363.231 ; 536.208,364.654 542.201,364.654 ; 289.605,-74.956 290.89,-73.671 290.89,-71.667 ; 289.605,-74.956 289.605,-73.968 ; 289.605,-74.956 289.605,-75.826 289.54,-75.762 289.54,-73.017 290.89,-71.667 ; 289.605,-73.968 289.605,-71.146 ; 289.605,-73.968 290.89,-72.683 ; 289.605,-71.146 289.605,-69.811 ; 289.605,-69.811 289.605,-69.049 290.429,-68.225 291.191,-68.225 291.217,-68.2 ; 289.605,-69.811 291.217,-68.2 ; 290.89,-72.683 290.89,-69.415 292.106,-68.2 ; 291.217,-68.2 292.106,-68.2 ; 300.589,-68.161 300.589,-68.225 301.097,-68.733 302.621,-68.733 ; 303.234,361.639 304.519,362.925 304.519,364.928 ; 303.234,361.639 303.234,362.627 ; 303.234,361.639 303.234,360.769 303.169,360.834 303.169,363.578 304.519,364.928 ; 303.234,362.627 303.234,365.449 ; 303.234,362.627 304.519,363.912 ; 303.234,365.449 303.234,366.784 ; 303.234,366.784 303.234,367.546 304.058,368.37 304.82,368.37 304.845,368.396 ; 303.234,366.784 304.845,368.396 ; 304.519,363.912 304.519,367.18 305.734,368.396 ; 304.845,368.396 305.734,368.396 ; 314.218,368.434 314.218,368.37 314.726,367.862 316.25,367.862 ; 322.179,-156.984 336.651,-156.984 337.923,-155.712 ; 335.808,279.611 350.28,279.611 351.552,280.884 ; 337.92,-161.946 339.837,-161.946 341.991,-159.792 343.331,-159.792 344.488,-158.635 344.037,-158.635 ; 337.92,-161.946 338.821,-161.946 341.61,-159.157 343.515,-159.157 344.037,-158.635 ; 337.92,-161.946 341.231,-158.635 344.037,-158.635 ; 337.923,-155.712 337.923,-156.105 338.816,-156.998 338.83,-156.984 344.263,-156.984 ; 351.549,274.649 353.466,274.649 355.62,276.803 356.96,276.803 358.117,277.96 357.666,277.96 ; 351.549,274.649 352.45,274.649 355.239,277.438 357.144,277.438 357.666,277.96 ; 351.549,274.649 354.86,277.96 357.666,277.96 ; 351.552,280.884 351.552,280.491 352.445,279.597 352.459,279.611 357.892,279.611 ; 430.605,-74.956 431.89,-73.671 431.89,-71.667 ; 430.605,-74.956 430.605,-73.968 ; 430.605,-74.956 430.605,-75.826 430.54,-75.762 430.54,-73.017 431.89,-71.667 ; 430.605,-73.968 430.605,-71.146 ; 430.605,-73.968 431.89,-72.683 ; 430.605,-71.146 430.605,-69.811 ; 430.605,-69.811 430.605,-69.049 431.429,-68.225 432.191,-68.225 432.217,-68.2 ; 430.605,-69.811 432.217,-68.2 ; 431.89,-72.683 431.89,-69.415 433.106,-68.2 ; 432.217,-68.2 433.106,-68.2 ; 441.589,-68.161 441.589,-68.225 442.097,-68.733 443.621,-68.733 ; 444.234,361.639 445.519,362.925 445.519,364.928 ; 444.234,361.639 444.234,362.627 ; 444.234,361.639 444.234,360.769 444.169,360.834 444.169,363.578 445.519,364.928 ; 444.234,362.627 444.234,365.449 ; 444.234,362.627 445.519,363.912 ; 444.234,365.449 444.234,366.784 ; 444.234,366.784 444.234,367.546 445.058,368.37 445.82,368.37 445.845,368.396 ; 444.234,366.784 445.845,368.396 ; 445.519,363.912 445.519,367.18 446.734,368.396 ; 445.845,368.396 446.734,368.396 ; 455.218,368.434 455.218,368.37 455.726,367.862 457.25,367.862 ; 463.179,-156.984 477.651,-156.984 478.923,-155.712 ; 476.808,279.611 491.28,279.611 492.552,280.884 ; 478.92,-161.946 480.837,-161.946 482.991,-159.792 484.331,-159.792 485.488,-158.635 485.037,-158.635 ; 478.92,-161.946 479.821,-161.946 482.61,-159.157 484.515,-159.157 485.037,-158.635 ; 478.92,-161.946 482.231,-158.635 485.037,-158.635 ; 478.923,-155.712 478.923,-156.105 479.816,-156.998 479.83,-156.984 485.263,-156.984 ; 492.549,274.649 494.466,274.649 496.62,276.803 497.96,276.803 499.117,277.96 498.666,277.96 ; 492.549,274.649 493.45,274.649 496.239,277.438 498.144,277.438 498.666,277.96 ; 492.549,274.649 495.86,277.96 498.666,277.96 ; 492.552,280.884 492.552,280.491 493.445,279.597 493.459,279.611 498.892,279.611